# Allegro board RK3588S_Template_LP4XD200P232SD10H2_30X30_2133MHz_H1R0_V11_20220218YWQ.brd (continued)
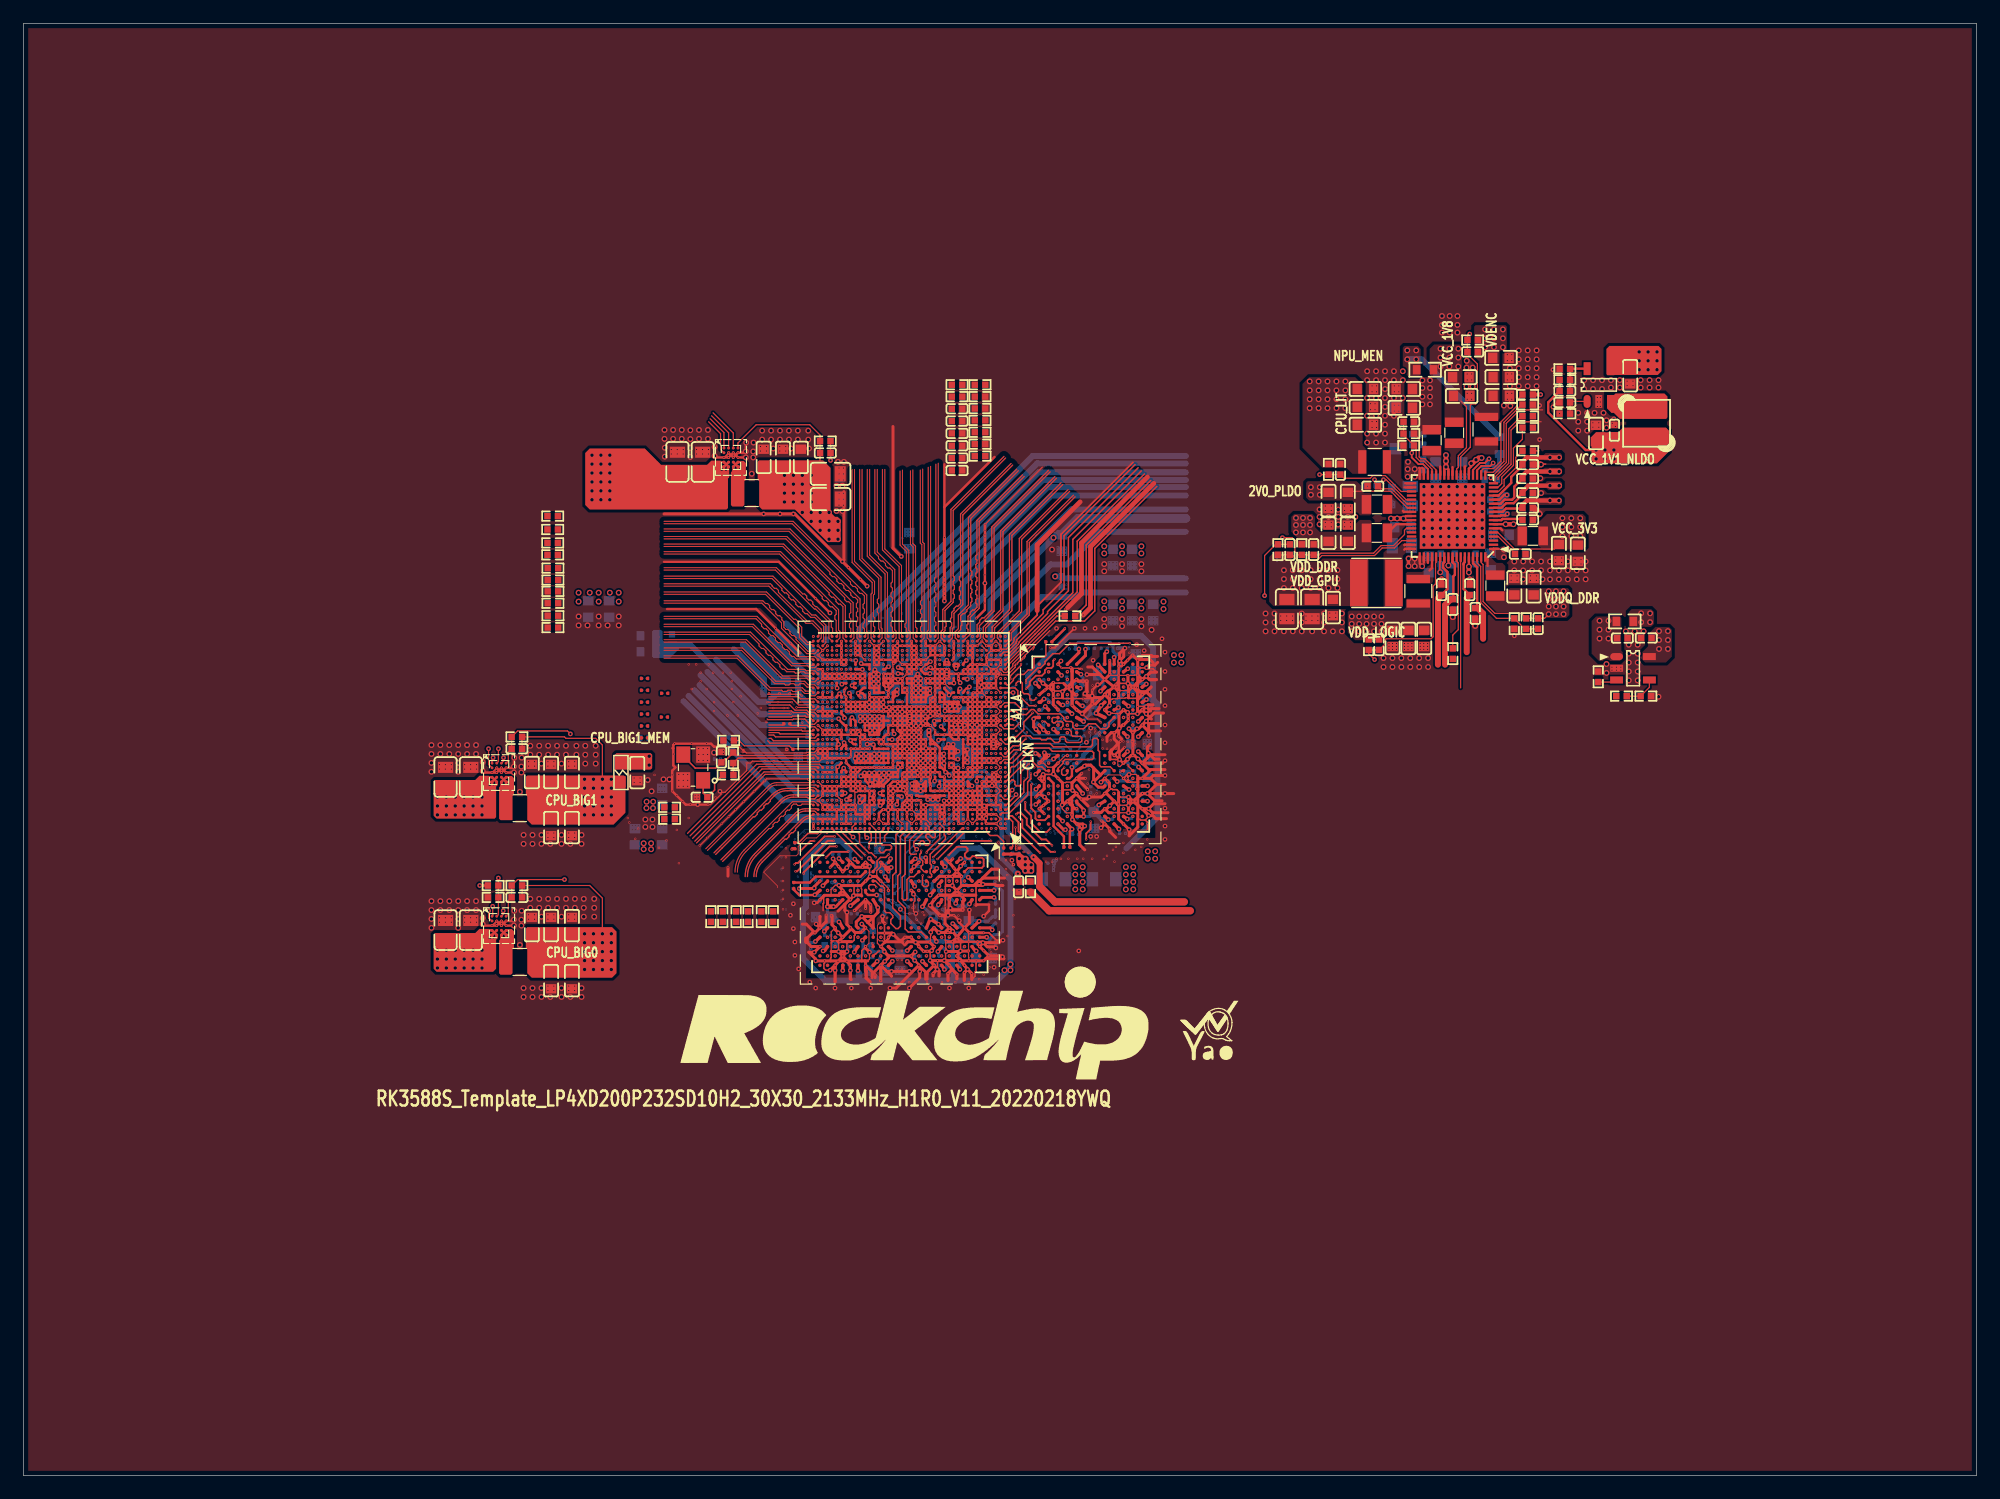
[diagram p0: board, top side]
## Routing (per net, layer and track width the routed paths; a pad name or vN(x,y) marks a point on that pad's centre or on a via; arc(x,y) is an arc through that point) (continued)
 v5(126.49,91.43) v5(127,94.61) v5(127,93.09) v5(127.38,78.11) v5(127.38,77.34) v5(127.76,96.14) v5(127.76,95.38) v5(127.76,94.61) v5(127.76,93.85) v5(127.76,93.09) v5(128.14,78.11) v5(128.14,77.34) v5(128.14,76.58) v5(128.52,96.14) v5(128.52,95.38) v5(128.52,94.61) v5(128.52,93.85) v5(128.52,93.09) v5(128.91,78.11) v5(128.91,77.34) v5(129.29,96.14) v5(129.29,95.38) v5(129.29,94.61) v5(129.29,93.85) v5(129.29,93.09) v5(129.6,85.22) v5(129.67,83.95) v5(129.67,78.11) v5(129.67,77.34) v5(129.79,76.58) v5(130.43,78.11) v5(130.43,77.34) v5(130.43,76.58) v5(131.19,77.34) v5(131.19,76.58) v5(131.95,78.11) v5(131.95,77.34) v5(131.95,76.58) v5(132.72,77.34) v5(132.72,76.58) v5(132.84,90.81) v5(132.84,90.04) v5(132.84,89.28) v5(133.35,93.6) v5(133.35,92.84) v5(133.48,78.11) v5(133.48,77.34) v5(133.48,76.58) v5(133.6,90.81) v5(133.6,90.04) v5(133.6,89.28) v5(134.11,93.6) v5(134.11,92.84) v5(134.24,90.81) v5(134.87,93.6) v5(134.87,92.84) v5(135,90.81) v5(135.25,90.17) v5(135.25,89.53) v5(135.25,69.34) v5(135.25,68.58) v5(135.64,93.6) v5(135.64,92.96) v5(136.4,93.6) v5(136.4,92.96) v5(136.91,72.14) v5(137.16,70.99) v5(137.16,70.23) v5(137.16,69.47) v5(137.16,68.71) v5(137.16,67.94) v5(137.67,72.14) v5(137.92,70.99) v5(137.92,70.23) v5(137.92,69.47) v5(137.92,68.71) v5(137.92,67.94) v5(138.18,93.6) v5(138.18,92.96) v5(138.43,72.14) v5(138.94,93.6) v5(138.94,92.96) v5(139.7,93.6) v5(139.7,92.96) v5(139.7,66.55) v6(65.02,67.31) v6(65.53,53.85) v6(65.53,52.7) v6(65.53,51.71) v6(65.53,51.05) v6(65.66,67.06) v6(65.79,67.56) v6(65.79,65.79) v6(65.79,55.37) v6(65.91,52.58) v6(65.91,52.07) v6(66.04,53.21) v6(66.04,51.69) v6(66.17,67.06) v6(66.29,67.56) v6(66.29,52.45) v6(66.42,67.31) v6(66.42,65.91) v6(66.42,65.66) v6(66.42,56.13) v6(66.42,54.99) v6(66.42,52.2) v6(66.55,51.69) v6(66.67,67.56) v6(66.67,65.91) v6(66.67,65.66) v6(66.8,67.31) v6(66.8,52.07) v6(67.06,67.56) v6(67.06,56.64) v6(67.06,53.34) v6(67.06,52.96) v6(67.18,67.31) v6(67.31,53.47) v6(67.31,53.09) v6(67.31,52.58) v6(67.44,65.91) v6(67.44,65.66) v6(67.94,67.56) v6(67.94,67.31) v6(67.94,56.13) v6(67.94,55.5) v6(68.07,48.01) v6(68.2,67.56) v6(68.2,52.45) v6(68.2,45.34) v6(68.2,43.71) v6(68.33,65.91) v6(68.33,56.01) v6(68.33,54.74) v6(68.33,47.12) v6(68.45,67.44) v6(68.45,65.66) v6(68.45,55.37) v6(68.45,47.62) v6(68.58,55.88) v6(68.58,54.36) v6(68.58,53.85) v6(68.58,53.34) v6(68.58,52.83) v6(68.6,51.96) v6(68.71,44.2) v6(68.71,43.81) v6(68.83,62.74) v6(68.83,62.48) v6(68.83,55.75) v6(68.83,55.12) v6(68.83,54.74) v6(68.83,50.16) v6(68.83,46.1) v6(68.96,67.56) v6(68.96,67.31) v6(68.96,51.18) v6(68.96,47.88) v6(69.09,62.74) v6(69.09,57.02) v6(69.09,49.02) v6(69.09,47.37) v6(69.09,46.74) v6(69.21,43.56) v6(69.34,56.13) v6(69.34,48.13) v6(69.34,46.99) v6(69.47,57.15) v6(69.47,55.88) v6(69.47,50.8) v6(69.47,44.32) v6(69.47,43.94) v6(69.6,50.04) v6(69.6,48.39) v6(69.6,48.01) v6(69.72,55.88) v6(69.85,56.64) v6(69.85,46.86) v6(69.98,49.28) v6(69.98,43.71) v6(70.1,63.25) v6(70.1,57.28) v6(70.23,63.96) v6(70.23,56.64) v6(70.23,56.26) v6(70.48,63.25) v6(70.48,57.28) v6(70.48,56.26) v6(70.61,56.64) v6(70.61,44.96) v6(70.74,47.37) v6(70.74,46.99) v6(70.74,46.48) v6(70.74,45.97) v6(70.74,43.71) v6(70.87,60.07) v6(70.87,56.26) v6(70.87,44.07) v6(70.99,48.13) v6(70.99,45.72) v6(71.12,60.07) v6(71.12,56.26) v6(71.12,47.5) v6(71.25,65.63) v6(71.25,48.64) v6(71.25,44.2) v6(71.35,45.1) v6(71.5,67.97) v6(71.5,65.53) v6(71.5,62.74) v6(71.5,60.33) v6(71.5,56.77) v6(71.5,43.81) v6(71.75,68.33) v6(71.75,68.07) v6(71.75,67.82) v6(71.75,49.15) v6(71.75,48.64) v6(71.88,56.9) v6(71.96,65.81) v6(72.01,57.28) v6(72.11,67.18) v6(72.14,66.8) v6(72.14,66.55) v6(72.14,62.92) v6(72.14,49.53) v6(72.16,65.25) v6(72.26,67.94) v6(72.26,57.02) v6(72.42,66.55) v6(72.52,66.83) v6(72.52,49.15) v6(72.54,62.92) v6(72.64,66.29) v6(72.64,57.66) v6(72.67,57.28) v6(72.64,48.89) v6(72.8,69.62) v6(72.77,66.8) v6(72.77,56.9) v6(72.9,44.83) v6(73.02,69.57) v6(73,69.34) v6(73.02,47.52) v6(73.02,46.88) v6(73.15,66.83) v6(73.15,66.62) v6(73.15,63.63) v6(73.15,45.59) v6(73.28,69.6) v6(73.28,69.34) v6(73.28,49.02) v6(73.28,45.21) v6(73.41,66.8) v6(73.38,66.57) v6(73.38,60.43) v6(73.53,56.77) v6(73.53,45.97) v6(73.61,68.43) v6(73.66,68.71) v6(73.66,58.8) v6(73.76,64.92) v6(73.79,60.43) v6(73.79,48.53) v6(73.79,45.21) v6(73.94,61.09) v6(73.89,53.98) v6(73.91,45.59) v6(74.04,66.93) v6(74.04,60.45) v6(74.04,59.18) v6(74.17,68.58) v6(74.14,67.69) v6(74.14,64.92) v6(74.19,61.09) v6(74.17,48.79) v6(74.29,68.76) v6(74.32,63.88) v6(74.32,61.87) v6(74.32,61.49) v6(74.42,62.36) v6(74.42,60.2) v6(74.42,59.94) v6(74.42,59.56) v6(74.43,56.64) v6(74.42,50.57) v6(74.55,61.34) v6(74.68,62.74) v6(74.68,59.82) v6(74.68,49.66) v6(74.68,49.4) v6(74.8,51.05) v6(74.93,62.48) v6(74.93,56.64) v6(74.93,44.07) v6(75.06,56.39) v6(75.06,44.58) v6(75.18,61.9) v6(75.44,65.91) v6(75.44,58.29) v6(75.44,51.56) v6(75.62,58.04) v6(75.56,48.41) v6(75.56,47.12) v6(75.69,65.66) v6(75.69,52.22) v6(75.69,51.33) v6(75.69,50.44) v6(75.69,49.68) v6(75.69,49.28) v6(75.69,48.91) v6(75.69,45.85) v6(75.82,65.91) v6(75.82,50.93) v6(75.95,54.36) v6(75.95,47.24) v6(76.07,56.01) v6(76.07,54.99) v6(76.07,51.44) v6(76.07,46.74) v6(76.2,55.5) v6(76.2,54.36) v6(76.2,46.36) v6(76.3,65.84) v6(76.33,51.69) v6(76.33,46.1) v6(76.35,66.12) v6(76.45,56.13) v6(76.45,50.8) v6(76.45,46.86) v6(76.61,65.81) v6(76.58,55.88) v6(76.58,51.31) v6(76.73,65.99) v6(76.71,59.56) v6(76.71,50.16) v6(76.71,49.15) v6(76.83,59.31) v6(76.89,68.63) v6(76.99,68.4) v6(76.99,65.99) v6(77.11,68.76) v6(77.09,59.44) v6(77.09,59.05) v6(77.09,58.17) v6(77.09,51.44) v6(77.24,66.24) v6(77.24,65.99) v6(77.34,62.74) v6(77.34,59.31) v6(77.34,58.93) v6(77.5,66.24) v6(77.5,65.96) v6(77.47,51.05) v6(77.47,50.16) v6(77.6,57.02) v6(77.75,66.5) v6(77.75,66.19) v6(77.75,65.99) v6(77.98,57.28) v6(77.98,49.53) v6(78.36,64.52) v6(78.49,49.4) v6(78.61,49.02) v6(78.87,55.63) v6(78.99,55.88) v6(78.99,53.98) v6(78.99,45.97) v6(79.12,55.5) v6(79.12,44.96) v6(79.12,43.69) v6(79.12,42.93) v6(79.25,46.1) v6(79.25,44.58) v6(79.38,44.09) v6(79.5,53.59) v6(79.5,42.93) v6(79.63,43.69) v6(79.72,50.42) v6(79.76,53.34) v6(79.76,44.58) v6(79.88,57.4) v6(79.88,55.88) v6(79.88,55.24) v6(79.88,54.61) v6(79.88,46.99) v6(80.01,54.1) v6(80.14,45.85) v6(80.26,62.87) v6(80.26,53.21) v6(80.26,47.37) v6(80.39,57.28) v6(80.39,54.86) v6(80.39,54.23) v6(80.39,53.72) v6(80.39,43.81) v6(80.52,55.88) v6(80.64,44.07) v6(80.77,51.69) v6(80.9,57.28) v6(80.9,46.86) v6(81.03,46.48) v6(81.03,43.94) v6(81.15,54.74) v6(81.15,51.94) v6(81.15,43.56) v6(81.28,62.23) v6(81.28,53.98) v6(81.28,48.39) v6(81.41,61.85) v6(81.41,61.34) v6(81.41,60.45) v6(81.66,61.09) v6(81.79,62.23) v6(81.79,61.72) v6(82.42,48.77) v6(82.68,49.02) v6(82.68,47.88) v6(83.18,55.88) v6(83.31,56.13) v6(83.31,48.26) v6(83.44,55.75) v6(83.57,54.48) v6(83.57,53.09) v6(83.57,52.32) v6(83.57,51.18) v6(83.57,50.16) v6(83.57,49.66) v6(83.57,47.88) v6(83.57,46.86) v6(83.69,54.74) v6(83.82,55.75) v6(83.82,54.36) v6(83.82,48.77) v6(83.95,46.86) v6(84.07,56.01) v6(84.2,49.15) v6(84.33,50.55) v6(84.58,56.13) v6(84.58,54.48) v6(84.71,55.63) v6(84.71,50.55) v6(84.84,56.34) v6(84.84,55.88) v6(84.84,53.21) v6(84.96,54.86) v6(84.96,53.85) v6(85.09,56.01) v6(85.22,68.96) v6(85.34,56.2) v6(85.34,53.85) v6(85.47,53.21) v6(85.6,53.47) v6(85.72,71.12) v6(85.72,54.48) v6(85.85,70.36) v6(85.85,56.2) v6(85.85,54.23) v6(85.98,71.75) v6(85.98,55.42) v6(86.11,53.34) v6(86.23,71.5) v6(86.23,71.12) v6(86.23,54.1) v6(86.36,70.36) v6(86.36,56.13) v6(86.42,54.23) v6(86.49,62.23) v6(86.61,54.36) v6(86.74,71.63) v6(86.87,54.57) v6(86.87,53.85) v6(87.12,56.39) v6(87.12,54.23) v6(87.12,53.47) v6(87.25,68.96) v6(87.36,52.96) v6(87.5,54.17) v6(87.63,53.59) v6(87.76,53.03) v6(88.01,67.69) v6(88.01,56.58) v6(88.26,70.87) v6(88.26,67.82) v6(88.41,58.67) v6(88.63,62.04) v6(88.65,70.82) v6(89.03,56.45) v6(89.09,69.4) v6(89.15,71.5) v6(89.14,70.36) v6(89.28,70.1) v6(89.28,68.84) v6(89.52,63.31) v6(89.53,62.3) v6(89.61,64.57) v6(89.66,69.72) v6(89.79,62.3) v6(89.92,63.31) v6(90.04,69.34) v6(90.04,66.04) v6(90.04,60.14) v6(90.04,56.13) v6(90.17,61.34) v6(90.17,60.9) v6(90.17,56.71) v6(90.28,63.31) v6(90.3,60.26) v6(90.3,59.44) v6(90.3,58.8) v6(90.4,61.79) v6(90.55,68.83) v6(90.55,59.38) v6(90.55,58.87) v6(90.68,67.56) v6(90.79,63.19) v6(90.8,61.59) v6(90.8,57.22) v6(90.93,69.72) v6(90.93,67.18) v6(90.93,65.53) v6(91.06,69.47) v6(91.06,60.2) v6(91.06,58.61) v6(91.06,56.96) v6(91.19,61.98) v6(91.19,57.22) v6(91.31,70.3) v6(91.31,68.45) v6(91.31,56.58) v6(91.37,62.7) v6(91.44,59.94) v6(91.57,60.64) v6(91.57,56.07) v6(91.69,63.25) v6(91.69,61.98) v6(91.69,61.47) v6(91.82,67.88) v6(91.82,64.26) v6(91.82,61.72) v6(91.76,60.45) v6(91.82,60.07) v6(91.82,56.71) v6(91.93,62.65) v6(91.95,57.78) v6(92.1,70.48) v6(92.07,62.23) v6(92.07,61.47) v6(92.07,55.95) v6(92.2,67.5) v6(92.23,63.41) v6(92.2,63.12) v6(92.2,57.91) v6(92.2,56.96) v6(92.33,68.52) v6(92.33,64.26) v6(92.33,61.09) v6(92.31,60.65) v6(92.33,57.47) v6(92.46,71.12) v6(92.46,68.33) v6(92.46,63.88) v6(92.46,62.61) v6(92.46,61.47) v6(92.46,56.64) v6(92.58,58.93) v6(92.58,57.91) v6(92.71,63.37) v6(92.71,61.98) v6(92.84,63.12) v6(92.84,62.61) v6(92.84,60.83) v6(92.84,58.67) v6(92.96,61.59) v6(93.09,66.29) v6(93.09,58.93) v6(93.09,56.39) v6(93.22,66.61) v6(93.22,66.04) v6(93.22,62.48) v6(93.22,58.36) v6(93.34,71.75) v6(93.34,71.37) v6(93.34,67.76) v6(93.34,62.1) v6(93.47,58.61) v6(93.73,61.98) v6(93.85,62.61) v6(93.85,59.05) v6(93.98,71.75) v6(94.06,67.02) v6(94.09,58.97) v6(94.23,71.5) v6(94.21,67.38) v6(94.23,66.74) v6(94.23,58.23) v6(94.61,62.74) v6(94.61,59.31) v6(94.87,58.93) v6(95,62.74) v6(95,62.23) v6(94.98,55.57) v6(95.1,67) v6(95.25,68.07) v6(95.25,67.44) v6(95.36,58.99) v6(95.5,66.93) v6(95.5,59.31) v6(95.48,57.6) v6(95.48,55.82) v6(95.61,56.96) v6(95.87,56.2) v6(96.27,66.93) v7(57.1,67.21) v7(57.86,67.87) v7(58.37,67.21) v7(59,66.09) v7(59,65.33) v7(60.15,64.95) v7(60.53,67.87) v7(60.53,67.21) v7(60.66,66.09) v7(61.04,64.95) v7(65.23,62.05) v7(69.35,49.2) v7(72.69,62.9) v7(73.28,45.21) v7(73.49,69.7) v7(75.69,48.03) v7(75.82,47.26) v7(76.96,47.9) v7(81.49,66.1) v7(81.89,71.33) v7(82.68,67.31) v7(84.84,54.36) v7(93.98,60.9) v7(116.67,71.1) v7(116.67,70.85) v7(116.67,70.59) v7(116.98,71.1) v7(116.98,70.85) v7(116.98,70.59) v7(117.31,71.1) v7(117.31,70.85) v7(117.31,70.59) v7(117.99,71.1) v7(117.99,70.85) v7(117.99,70.59) v7(118.3,71.1) v7(118.3,70.85) v7(118.3,70.59) v7(118.63,71.1) v7(118.63,70.85) v7(118.63,70.59) v7(119.34,71.1) v7(119.34,70.85) v7(119.34,70.59) v7(119.65,71.1) v7(119.65,70.85) v7(119.65,70.59) v7(119.98,71.1) v7(119.98,70.85) v7(119.98,70.59) v8(51.31,59.61) v8(56.64,54.36) v8(57.23,65.33) v8(57.23,64.57) v8(57.35,68.63) v8(57.48,67.61) v8(57.48,66.98) v8(57.66,53.19) v8(57.78,56.26) v8(57.91,55.5) v8(58.04,56.26) v8(58.17,55.5) v8(58.29,52.7) v8(58.42,53.85) v8(58.5,65.33) v8(58.5,64.57) v8(58.62,67.61) v8(59.13,73.84) v8(59.13,66.98) v8(59.39,64.57) v8(59.44,57.15) v8(59.64,69.39) v8(59.89,67.61) v8(59.89,65.33) v8(60.45,57.4) v8(60.58,62.48) v8(60.58,58.29) v8(60.71,68.58) v8(60.78,53.52) v8(60.83,52.7) v8(60.83,51.18) v8(61.04,77.9) v8(60.96,57.91) v8(61.32,67.31) v8(61.47,59.18) v8(61.72,58.67) v8(61.93,74.73) v8(61.95,66.67) v8(62.05,76.89) v8(62.31,68.12) v8(62.43,78.41) v8(62.43,73.71) v8(62.48,59.44) v8(62.61,60.33) v8(62.74,61.59) v8(62.81,78.79) v8(62.94,67.36) v8(63.12,66.55) v8(63.37,60.33) v8(63.45,77.39) v8(63.75,59.82) v8(63.96,77.77) v8(64.13,60.2) v8(64.52,60.58) v8(64.59,76.25) v8(64.85,76.76) v8(65.74,76) v8(65.8,81.01) v8(66.04,54.48) v8(66.12,74.73) v8(66.42,54.86) v8(66.67,53.59) v8(66.88,74.73) v8(67.06,55.5) v8(67.06,55.12) v8(67.77,73.08) v8(67.89,74.6) v8(67.89,73.71) v8(67.94,71.25) v8(68.58,75.06) v8(68.58,55.88) v8(68.71,72.14) v8(68.71,43.94) v8(68.78,72.82) v8(68.83,55.75) v8(68.97,77.84) v8(68.96,71.88) v8(68.96,46.61) v8(69.09,75.56) v8(69.21,73.53) v8(69.32,63.5) v8(69.34,56.26) v8(69.72,60.96) v8(69.72,44.45) v8(69.85,63.25) v8(69.98,60.96) v8(70.08,59.49) v8(70.13,59.08) v8(70.1,48.89) v8(70.23,64.26) v8(70.23,63.12) v8(70.36,45.85) v8(70.48,65.91) v8(70.46,63.7) v8(70.46,63.37) v8(70.48,60.71) v8(70.48,59.89) v8(70.51,59.51) v8(70.48,59.11) v8(70.74,64.26) v8(70.74,43.94) v8(70.89,72.69) v8(70.89,64.08) v8(70.87,62.36) v8(70.89,60.33) v8(70.89,59.89) v8(70.89,59.49) v8(70.87,59.11) v8(70.89,57.1) v8(70.97,63.37) v8(70.99,51.44) v8(71.12,72.69) v8(71.12,69.09) v8(71.12,68.83) v8(71.12,63.12) v8(71.12,50.42) v8(71.12,48.01) v8(71.14,47.62) v8(71.25,67.82) v8(71.25,65.51) v8(71.25,62.74) v8(71.27,59.11) v8(71.25,48.64) v8(71.25,47.12) v8(71.35,63.98) v8(71.37,60.2) v8(71.5,50.5) v8(71.63,64.01) v8(71.63,63.12) v8(71.63,62.74) v8(71.62,58.72) v8(71.63,48.51) v8(71.68,60.43) v8(71.75,67.94) v8(71.75,63.63) v8(71.83,59.31) v8(72.01,59.56) v8(72.14,78.36) v8(72.09,78.03) v8(72.14,76.58) v8(72.14,76.33) v8(72.14,69.22) v8(72.06,68.71) v8(72.14,67.94) v8(72.14,63.12) v8(72.11,57.12) v8(72.16,67.06) v8(72.26,68.96) v8(72.29,68.76) v8(72.29,66.7) v8(72.39,69.22) v8(72.52,69.47) v8(72.47,58.29) v8(72.59,66.73) v8(72.77,63.25) v8(72.9,69.85) v8(72.9,69.47) v8(72.85,65.56) v8(72.9,58.67) v8(72.87,57.91) v8(72.95,66.75) v8(72.97,66.32) v8(73.05,63.22) v8(73.09,57.7) v8(73.15,69.47) v8(73.28,66.78) v8(73.3,66.34) v8(73.28,63.63) v8(73.28,63.37) v8(73.53,68.71) v8(73.53,63.63) v8(73.53,63.37) v8(73.63,66.75) v8(73.58,57.43) v8(73.91,68.71) v8(73.91,67.56) v8(73.89,66.1) v8(74.12,67.3) v8(74.09,65.05) v8(74.07,61.09) v8(74.07,58.67) v8(74.17,66.67) v8(74.29,66.1) v8(74.42,59.69) v8(74.47,65.53) v8(74.45,63.88) v8(74.47,61.88) v8(74.52,61.57) v8(74.5,58.72) v8(74.5,49.78) v8(74.57,58.24) v8(74.55,45.97) v8(74.7,67.67) v8(74.93,80.01) v8(74.9,65.53) v8(74.93,64.26) v8(74.94,61.89) v8(75.13,68.49) v8(75.06,47.64) v8(75.06,47.39) v8(75.18,68.83) v8(75.18,52.83) v8(75.18,52.45) v8(75.18,51.94) v8(75.18,50.67) v8(75.29,67.92) v8(75.29,65.86) v8(75.31,65.51) v8(75.39,67.69) v8(75.39,67.49) v8(75.44,46.99) v8(75.56,68.12) v8(75.56,46.1) v8(75.69,57.56) v8(75.69,45.85) v8(75.69,45.23) v8(75.82,68.12) v8(75.82,45.49) v8(75.89,71.73) v8(75.92,51.18) v8(75.95,52.32) v8(75.95,50.8) v8(76.05,69.49) v8(76.07,68.71) v8(76.07,49.3) v8(76.33,66.42) v8(76.38,65.99) v8(76.45,69.09) v8(76.49,59.48) v8(76.61,66.01) v8(76.71,82.3) v8(76.81,68.5) v8(76.81,64.69) v8(76.89,65.89) v8(76.94,59.51) v8(76.99,68.73) v8(77.04,68.48) v8(76.96,63.86) v8(76.99,60.3) v8(77.09,69.34) v8(77.06,66.14) v8(77.27,66.12) v8(77.27,65.85) v8(77.27,65.58) v8(77.27,61.14) v8(77.3,59.5) v8(77.27,59.16) v8(77.49,62.5) v8(77.48,57.27) v8(77.72,66.32) v8(77.68,65.88) v8(77.7,65.58) v8(77.72,62.87) v8(77.67,58.7) v8(77.7,58.27) v8(77.89,62.5) v8(78.09,65.88) v8(78.09,65.51) v8(78.14,59.91) v8(78.08,58.27) v8(78.23,61.98) v8(78.23,51.31) v8(78.28,59.33) v8(78.36,66.04) v8(78.36,62.36) v8(78.49,67.87) v8(78.49,66.93) v8(78.49,66.67) v8(78.49,63.5) v8(78.59,66.37) v8(78.61,50.8) v8(78.69,67.3) v8(78.69,58.1) v8(78.89,64.72) v8(78.87,64.29) v8(78.87,63.75) v8(78.87,63.47) v8(78.85,59.5) v8(78.9,58.79) v8(78.92,58.31) v8(78.99,67.56) v8(78.99,66.17) v8(79.1,63.31) v8(79.12,58.06) v8(79.25,69.22) v8(79.27,64.69) v8(79.5,68.2) v8(79.5,67.06) v8(79.63,83.44) v8(79.63,81.91) v8(79.63,80.01) v8(79.63,78.74) v8(79.63,77.22) v8(79.63,76.2) v8(79.63,75.31) v8(79.63,74.42) v8(79.63,66.17) v8(79.71,66.73) v8(79.68,64.69) v8(79.71,63.5) v8(79.88,69.47) v8(79.93,59.72) v8(80.01,65.15) v8(80.09,69.16) v8(80.09,66.75) v8(80.09,64.69) v8(80.09,63.5) v8(80.17,63.04) v8(80.26,60.05) v8(80.3,58.08) v8(80.39,67.56) v8(80.48,65.89) v8(80.47,65.52) v8(80.49,64.69) v8(80.49,63.5) v8(80.49,63.07) v8(80.59,69.19) v8(80.64,59.18) v8(80.9,89.03) v8(80.9,88.77) v8(80.9,88.14) v8(80.9,87.12) v8(80.9,80.64) v8(80.9,78.11) v8(80.9,77.34) v8(80.9,76.33) v8(80.9,74.8) v8(80.89,65.89) v8(80.9,65.48) v8(80.89,65.1) v8(80.9,64.69) v8(80.9,63.5) v8(80.9,59.44) v8(81.08,60.07) v8(81.08,58.17) v8(81.29,65.89) v8(81.28,65.51) v8(81.3,65.1) v8(81.34,64.51) v8(81.31,62.29) v8(81.61,64.64) v8(81.7,65.82) v8(81.71,65.48) v8(81.68,65.09) v8(81.66,62.74) v8(81.79,68.83) v8(82.12,73.96) v8(82.05,61.21) v8(82.17,68.83) v8(82.3,79.12) v8(82.42,80.39) v8(82.55,79.12) v8(82.55,78.61) v8(82.68,80.39) v8(82.68,69.22) v8(82.8,79.12) v8(82.8,56.13) v8(82.93,80.01) v8(82.93,79.63) v8(82.93,79.38) v8(83.01,73.33) v8(83.06,80.39) v8(83.06,79.12) v8(83.18,56.13) v8(83.26,81.58) v8(83.26,80.44) v8(83.31,77.72) v8(83.31,77.34) v8(83.39,88.82) v8(83.39,87.05) v8(83.39,85.27) v8(83.39,83.49) v8(83.44,76.96) v8(83.44,62.78) v8(83.44,56.29) v8(83.69,76.96) v8(83.69,53.09) v8(83.77,78.28) v8(83.97,77.85) v8(83.97,77.47) v8(83.95,77.09) v8(83.98,62.87) v8(83.95,53.47) v8(84.15,72.82) v8(84.2,53.09) v8(84.28,78.28) v8(84.33,77.09) v8(84.28,75.62) v8(84.28,74.85) v8(84.53,88.44) v8(84.53,86.66) v8(84.53,84.89) v8(84.53,82.85) v8(84.53,81.33) v8(84.53,80.44) v8(84.45,79.12) v8(84.45,53.09) v8(84.56,62.87) v8(84.84,80.39) v8(84.84,79.12) v8(84.84,72.08) v8(84.89,80.01) v8(84.89,79.63) v8(85.04,73.58) v8(84.97,71.39) v8(85.09,79.12) v8(85.22,80.39) v8(85.22,72.33) v8(85.34,71.12) v8(85.47,77.09) v8(85.67,87.05) v8(85.67,80.95) v8(85.67,79.68) v8(85.72,78.23) v8(85.72,76.96) v8(85.67,74.6) v8(85.72,71.12) v8(85.93,78.41) v8(85.95,77.85) v8(85.95,77.47) v8(85.98,77.09) v8(86.11,71.5) v8(86.23,78.23) v8(86.31,76.89) v8(86.31,74.6) v8(86.61,77.09) v8(86.56,62.15) v8(86.69,78.03) v8(86.74,77.72) v8(86.69,77.39) v8(86.74,72.14) v8(86.87,61.59) v8(86.99,72.39) v8(87.33,80.31) v8(87.25,62.1) v8(87.76,72.39) v8(87.76,58.61) v8(87.88,65.85) v8(88.39,66.23) v8(88.77,58.74) v8(89.9,63.69) v8(89.92,61.98) v8(90.17,61.72) v8(90.42,61.47) v8(90.55,58.87) v8(90.68,62.23) v8(90.68,59.25) v8(90.93,60.96) v8(91.06,62.23) v8(91.19,61.98) v8(91.19,60.71) v8(91.19,58.74) v8(91.44,62.1) v8(91.57,58.76) v8(91.69,64.26) v8(91.69,61.34) v8(91.82,62.1) v8(92.03,61.85) v8(92.07,58.87) v8(92.33,61.21) v8(92.46,63.75) v8(92.46,63.37) v8(92.71,61.59) v8(93.22,63.75) v8(93.22,61.21) v8(93.34,57.98) v8(93.71,63.44) v8(93.96,63.31) v9(116.76,83.13) v9(116.76,82.83) v9(117.04,83.13) v9(117.04,82.83) v10(52.02,55.55) v10(52.02,55.17) v10(52.27,55.55) v10(52.27,55.17) v10(52.53,55.55) v10(52.53,55.17) v10(54.31,58.85) v10(54.31,58.47) v10(54.31,55.55) v10(54.31,55.17) v10(54.56,58.85) v10(54.56,58.47) v10(54.56,55.55) v10(54.56,55.17) v10(54.81,58.85) v10(54.81,58.47) v10(54.81,55.55) v10(54.81,55.17) v10(60.96,62.74) v10(61.34,62.36) v10(65.94,61.68) v10(65.93,61.37) v10(65.94,61.1) v10(66.19,61.68) v10(66.18,61.37) v10(66.19,61.1) v10(66.44,61.37) v10(66.42,53.74) v10(66.45,61.68) v10(66.45,61.1) v10(67.56,59.16) v10(67.56,58.91) v10(67.69,52.22) v10(68.2,59.16) v10(68.2,58.91) v10(68.51,66.34) v10(68.58,63.88) v10(68.58,63.63) v10(68.83,64.01) v10(68.83,63.75) v10(68.83,63.5) v10(69.09,63.5) v10(69.23,63.94) v10(69.49,85.64) v10(69.49,85.31) v10(69.49,84.98) v10(69.49,83.95) v10(69.49,83.62) v10(69.49,83.29) v10(69.47,63.5) v10(69.72,59.04) v10(69.72,58.78) v10(69.69,49.14) v10(69.77,85.64) v10(69.77,85.31) v10(69.77,84.98) v10(69.77,83.95) v10(69.77,83.62) v10(69.77,83.29) v10(69.98,59.04) v10(69.98,58.78) v10(70.05,85.64) v10(70.05,85.31) v10(70.05,84.98) v10(70.05,83.95) v10(70.05,83.62) v10(70.05,83.29) v10(70.23,54.74) v10(70.3,60.91) v10(70.36,69.57) v10(70.51,60.68) v10(70.51,50.72) v10(70.87,55.12) v10(71.12,53.85) v10(71.22,59.31) v10(71.63,54.48) v10(71.88,53.72) v10(72.01,70.23) v10(72.01,69.6) v10(72.01,63.12) v10(72.06,69.88) v10(72.24,57.58) v10(72.19,53.72) v10(72.42,63.19) v10(72.77,53.72) v10(72.77,53.47) v10(72.77,53.21) v10(73.13,56.69) v10(73.08,53.72) v10(73.08,53.47) v10(73.08,53.21) v10(73.15,54.86) v10(73.26,62.36) v10(73.41,73.28) v10(73.46,53.72) v10(73.46,53.47) v10(73.46,53.21) v10(73.55,57.81) v10(73.84,57.2) v10(73.91,56.26) v10(73.91,56.01) v10(74.04,53.31) v10(74.29,55.37) v10(74.42,70.1) v10(74.84,64.62) v10(74.93,54.36) v10(75.06,73.66) v10(75.11,70.49) v10(75.11,69.85) v10(75.17,69) v10(75.18,68.71) v10(75.17,68.36) v10(75.17,67.85) v10(75.18,67.56) v10(75.29,64.73) v10(75.29,64.43) v10(75.29,64.12) v10(75.55,60.2) v10(75.55,59.89) v10(75.55,59.59) v10(75.86,59.59) v10(76.07,70.23) v10(76.07,69.85) v10(76.07,69.47) v10(76.16,59.59) v10(76.38,64.68) v10(76.45,73.91) v10(76.45,70.23) v10(76.45,69.85) v10(77.6,70.1) v10(77.8,60.55) v10(77.8,59.94) v10(78.74,50.01) v10(78.94,69.06) v10(79.04,51.24) v10(79.12,69.22) v10(79.38,50.93) v10(79.55,66.34) v10(79.63,51.45) v10(79.76,66.47) v10(79.76,66.24) v10(79.76,49.66) v10(79.88,60.02) v10(80.13,66.26) v10(80.26,60.2) v10(80.42,64.52) v10(80.52,60.33) v10(80.74,66.26) v10(80.67,64.52) v10(81.08,69.37) v10(81.53,46.12) v10(81.74,72.31) v10(81.74,70.54) v10(81.74,69.35) v10(81.91,51.58) v10(82.04,52.32) v10(82.3,61.29) v10(82.3,60.96) v10(82.42,50.16) v10(82.55,54.36) v10(82.68,61.72) v10(82.8,61.21) v10(82.8,60.83) v10(82.93,61.72) v10(83.01,50.74) v10(83.06,65.66) v10(83.44,71.88) v10(83.39,71.55) v10(83.57,60.33) v10(83.69,66.17) v10(83.82,59.18) v10(83.82,58.04) v10(84.07,61.59) v10(84.07,60.71) v10(84.33,57.66) v10(84.45,78.23) v10(84.58,73.53) v10(84.58,65.28) v10(84.58,64.14) v10(84.58,62.23) v10(84.71,65.91) v10(84.96,63.25) v10(85.09,65.02) v10(85.22,66.67) v10(85.34,60.96) v10(85.34,60.71) v10(85.34,60.45) v10(85.34,58.67) v10(85.47,59.56) v10(85.6,60.96) v10(85.6,60.71) v10(85.6,60.45) v10(85.85,60.96) v10(85.85,60.71) v10(85.85,60.45) v10(86.49,80.39) v10(86.98,55.31) v10(87.74,67.25) v10(88.25,66.61) v10(88.39,79.27) v10(88.39,78.99) v10(88.39,78.71) v10(88.6,76.12) v10(88.6,75.74) v10(88.72,79.27) v10(88.72,78.99) v10(88.72,78.71) v10(88.85,76.12) v10(88.85,75.74) v10(88.9,70.23) v10(89.03,79.27) v10(89.03,78.99) v10(89.03,78.71) v10(89.1,76.12) v10(89.1,75.74) v10(89.19,66.36) v10(89.37,70.63) v10(90.05,57.31) v10(92.76,78) v10(92.76,77.72) v10(92.76,77.44) v10(92.76,73.3) v10(92.76,73.03) v10(92.76,72.75) v10(93.09,78) v10(93.09,77.72) v10(93.09,77.44) v10(93.09,73.3) v10(93.09,73.03) v10(93.09,72.75) v10(93.07,69.15) v10(93.42,78) v10(93.42,77.72) v10(93.42,77.44) v10(93.42,73.3) v10(93.42,73.03) v10(93.42,72.75) v10(94.41,78) v10(94.41,77.72) v10(94.41,77.44) v10(94.41,73.3) v10(94.41,73.03) v10(94.41,72.75) v10(94.74,78) v10(94.74,77.72) v10(94.74,77.44) v10(94.74,73.3) v10(94.74,73.03) v10(94.74,72.75) v10(95.07,78) v10(95.07,77.72) v10(95.07,77.44) v10(95.07,73.3) v10(95.07,73.03) v10(95.07,72.75) v10(96.19,73.3) v10(96.19,73.03) v10(96.19,72.75) v10(96.52,73.3) v10(96.52,73.03) v10(96.52,72.75) v10(96.85,73.3) v10(96.85,73.03) v10(96.85,72.75) v10(107.11,78.66) v10(107.11,78.41) v10(107.11,78.16) v10(107.49,78.66) v10(107.49,78.41) v10(107.49,78.16) v10(118.03,83.13) v10(118.03,82.83) v10(118.03,82.5) v10(118.31,83.13) v10(118.31,82.83) v10(118.31,82.5) v10(118.29,81.36) v10(118.29,81.05) v10(118.29,80.72) v10(118.29,79.86) v10(118.29,79.6) v10(118.29,79.32) v10(118.29,79.04) v10(118.59,83.13) v10(118.59,82.83) v10(118.59,82.5) v10(118.57,81.36) v10(118.57,81.05) v10(118.57,80.72) v10(118.59,79.86) v10(118.59,79.6) v10(118.59,79.32) v10(118.59,79.04) v10(118.85,83.13) v10(118.85,82.83) v10(118.85,82.5) v10(118.85,81.36) v10(118.85,81.05) v10(118.85,80.72) v10(118.92,79.86) v10(118.92,79.6) v10(118.92,79.32) v10(118.92,79.04) v10(119.76,78.84) v10(119.76,78.56) v10(119.76,78.28) v10(120.09,78.84) v10(120.09,78.56) v10(120.09,78.28) v10(120.35,85.5) v10(120.35,85.22) v10(120.35,84.94) v10(120.4,78.84) v10(120.4,78.56) v10(120.4,78.28) v10(120.68,85.5) v10(120.68,85.22) v10(120.68,84.94) v10(120.98,85.5) v10(120.98,85.22) v10(120.98,84.94) v10(122.63,85.5) v10(122.63,85.22) v10(122.63,84.94) v10(122.96,85.5) v10(122.96,85.22) v10(122.96,84.94) v10(123.27,85.5) v10(123.27,85.22) v10(123.27,84.94) v10(125.02,79.07) v10(125.02,78.79) v10(125.02,78.51) v10(125.25,80.7) v10(125.25,80.37) v10(125.25,80.06) v10(125.32,79.07) v10(125.32,78.79) v10(125.32,78.51) v10(125.53,80.7) v10(125.53,80.37) v10(125.53,80.06) v10(125.65,79.07) v10(125.65,78.79) v10(125.65,78.51) v10(125.81,80.7) v10(125.81,80.37) v10(125.81,80.06)
